# Altium PCB Dart_Controller_PCB.PcbDoc
Units mil, origin at the board's own origin, x right, y up, seen from the top; angles counter-clockwise.
Board outline 2952.91 x 1712.6 mil, 4 copper layers (TOP, GND02, PWR03, BOTTOM), stack 23.756 mil thick; 75 components, 43 nets, 297 pads, 130 vias.
Unrouted connection lines stored in the file: 1.
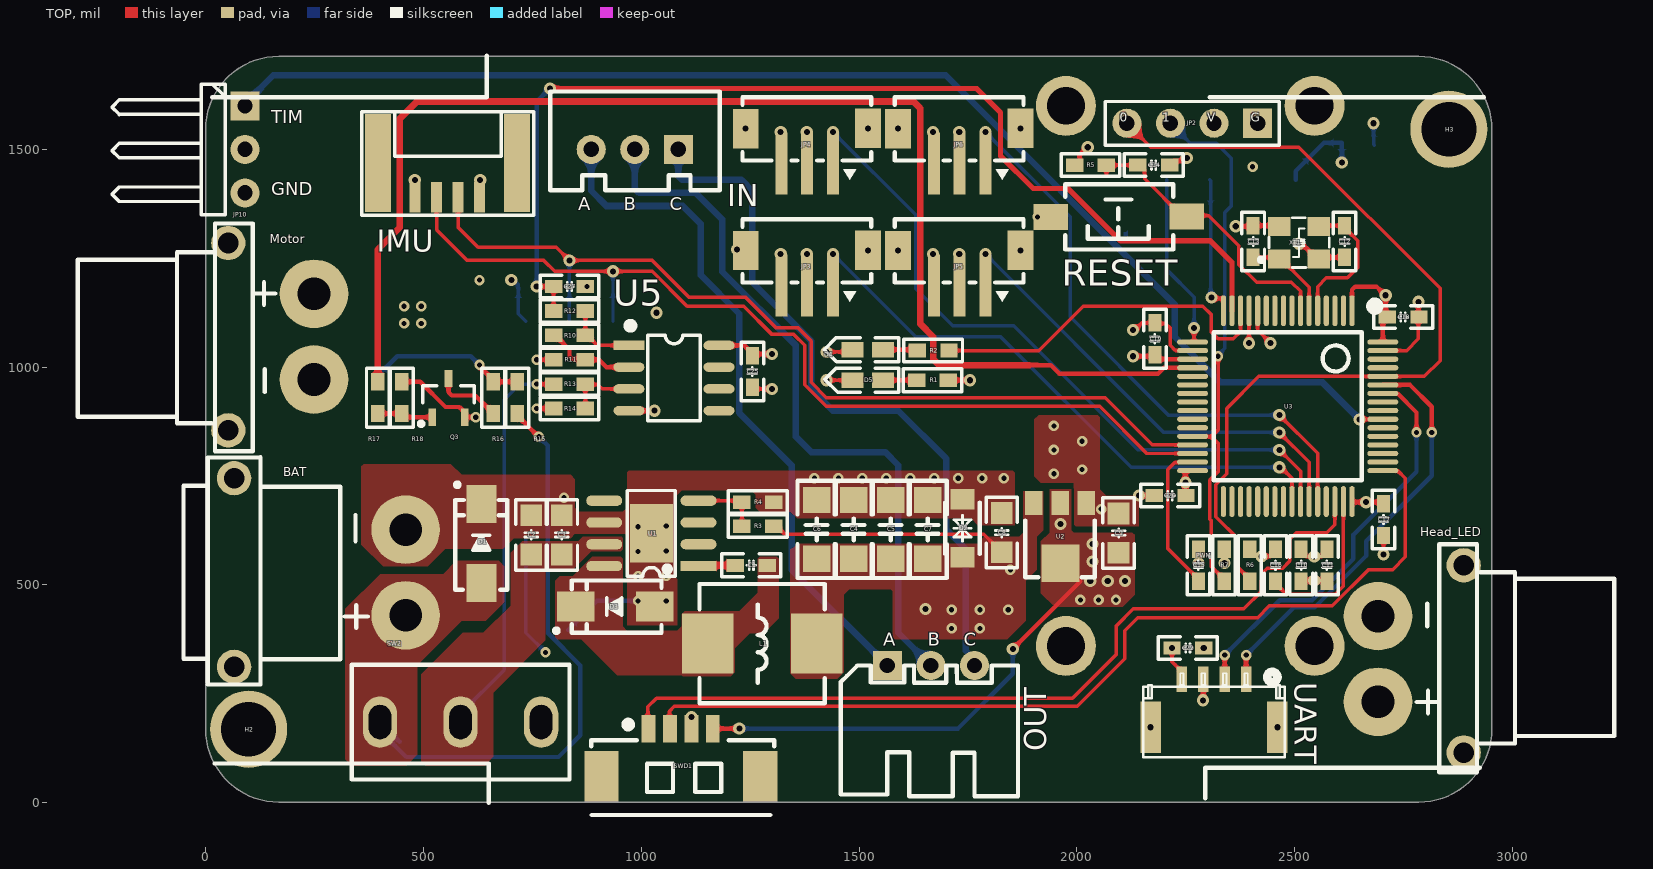
[diagram p0: TOP view]
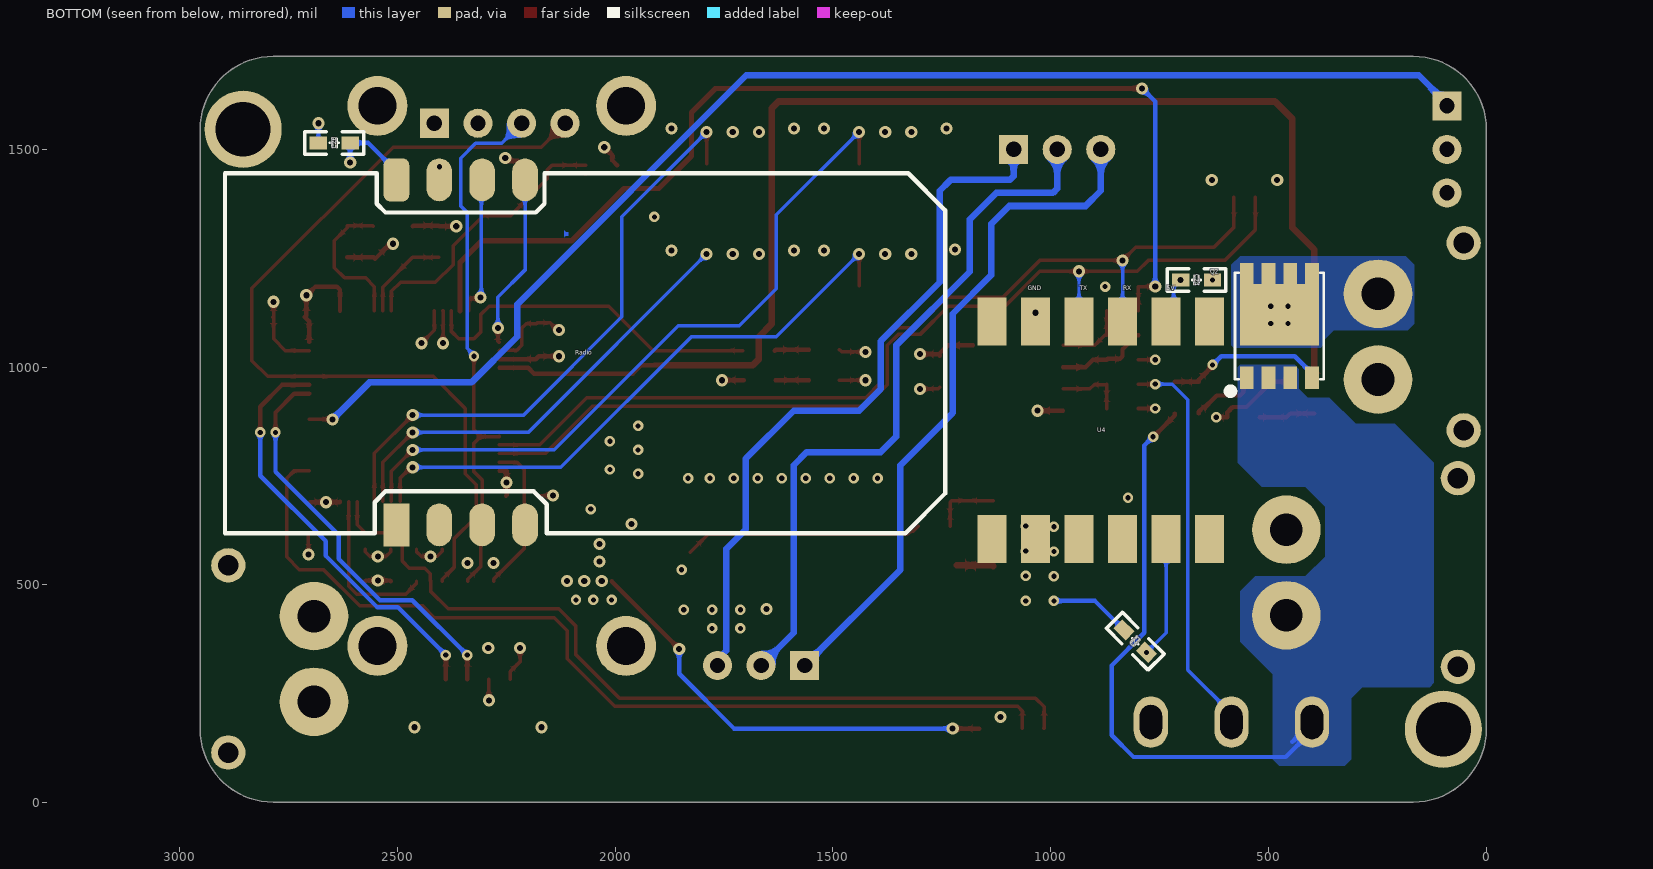
[diagram p1: BOTTOM view, seen from below]
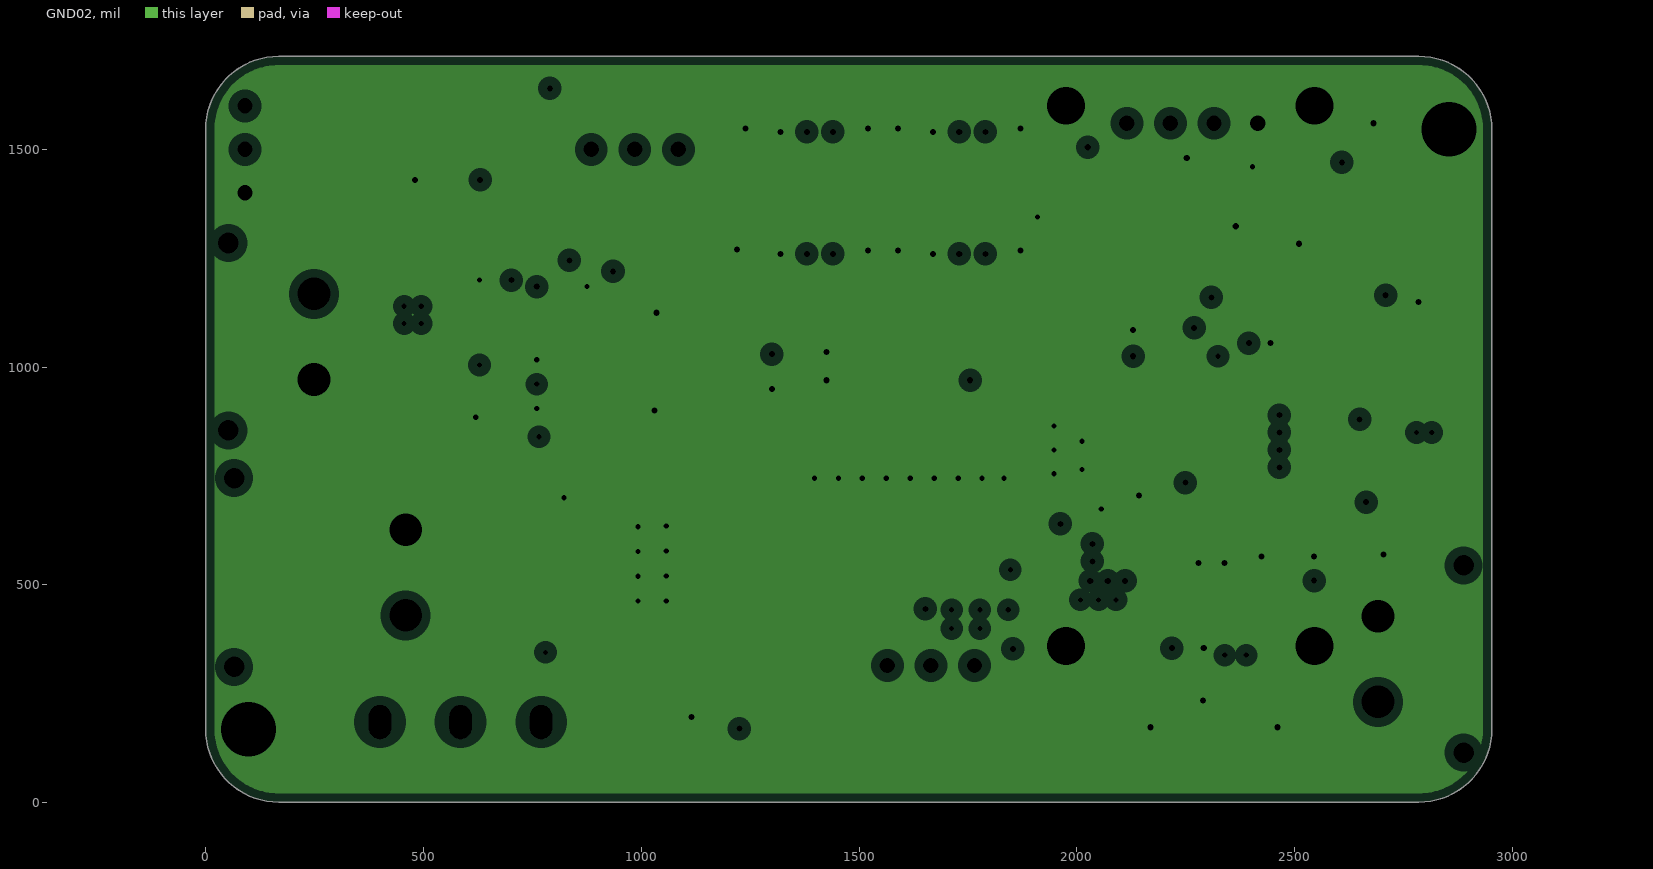
[diagram p2: GND02, clearances drawn from the general rule]
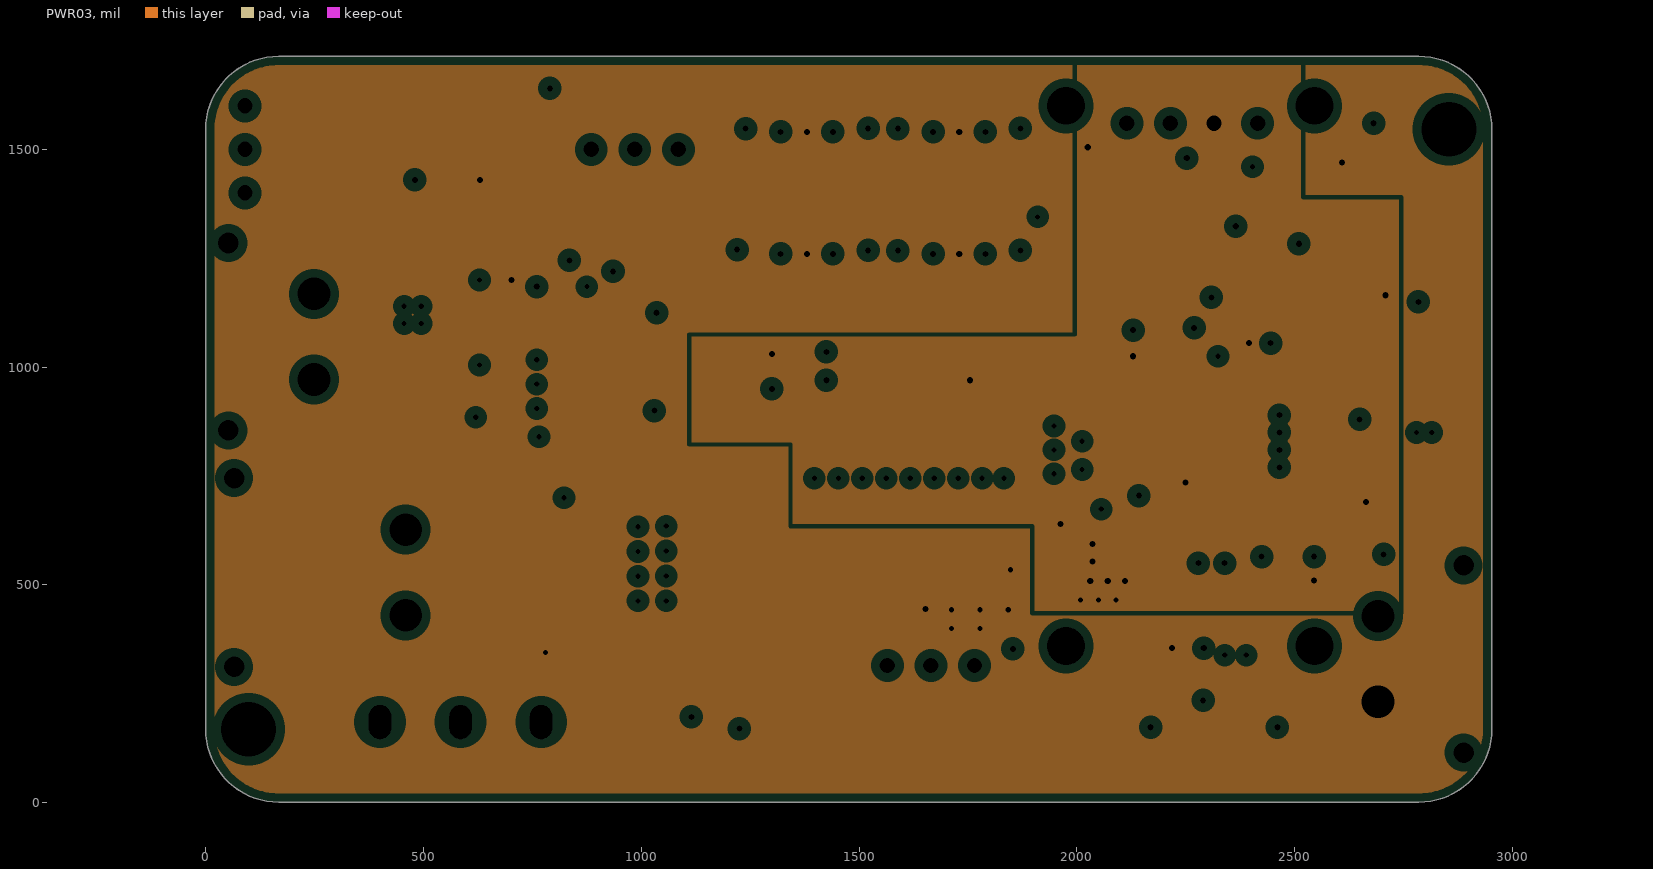
[diagram p3: PWR03, clearances drawn from the general rule]

## Layer stack, top to bottom
Top Solder: solder mask 0.4, Solder Resist, Dk 3.5
TOP: signal copper 1.4
Dielectric 2: prepreg 2.8, PP-006, Dk 4.1
GND02: plane copper 1.378, net GND
Dielectric 1: dielectric 12.6, FR-4, Dk 4.8
PWR03: plane copper 1.378, net (Multiple Nets)
Dielectric 3: prepreg 2.8, PP-006, Dk 4.1
BOTTOM: signal copper 1.4
Bottom Solder: solder mask 0.4, Solder Resist, Dk 3.5

## Board outline
167.32,1.1 cw(c167.24,168.5) -0.16,168.43 0,168.43 0,1546.38 -0.16,1546.38 cw(c167.24,1546.3) 167.32,1713.7 2785.43,1713.7 cw(c2785.43,1546.38) 2952.76,1546.38 2952.76,168.43 cw(c2785.43,168.43) 2785.43,1.1

## Design rules (kind name [scope] priority, off if disabled: settings)
Clearance [All] p1: gap=6 ignorepadtopadclearanceinfootprint=TRUE
DiffPairsRouting [All] p1: maxlimit=10 minlimit=8 mostfreqgap=10 toplayer_minwidth=8 toplayer_maxwidth=15 toplayer_prefwidth=10 bottomlayer_minwidth=8 bottomlayer_maxwidth=15 bottomlayer_prefwidth=10 maxuncoupledlength=500
HoleSize [All] p1: absolutevalues=TRUE maxlimit=99999 minlimit=1 maxpercent=80.000 minpercent=20.000
HoleToHoleClearance [All] p1: gap=8 allowstackedmicrovias=TRUE
MinimumSolderMaskSliver [All] p1: minsoldermaskwidth=0
PlaneClearance [All] p1: clearance=20
PlaneConnect [All] p1: planeconnectstyle=Direct reliefexpansion=20 reliefentries=4 reliefconductorwidth=10 reliefairgap=10
PolygonConnect [All] p1: connectstyle=Direct reliefconductorwidth=10 reliefentries=4 polygonreliefangle="90 Angle" airgapwidth=10
RoutingVias [All] p1: holewidth=12 width=24 viastyle="Through Hole" minholewidth=8 minwidth=22 maxholewidth=14 maxwidth=28
SilkToSilkClearance [All] p1: silktosilkclearance=0
SilkToSolderMaskClearance [IsPad] p1: minsilkscreentomaskgap=0 clearancetoexposedcopper=TRUE
SolderMaskExpansion SolderMaskExpansion_Via [IsVia] p1: expansion=4 istentingtop=TRUE
SolderMaskExpansion [All] p2: expansion=4 istentingtop=FALSE
Width [All] p1: maxlimit=20 minlimit=8 preferedwidth=10
22 further rules are at their usual default settings.

## Classes and differential pairs
component class Dart_Controller_SCH2: Head_LED Q2 Q3 R15 R16 R17 R18 SW2
component class Dart_Controller_SCH: BAT C1 C2 C3 C4 C5 C6 C7 C8 C9 C10 C11 C12 C13 C14 C15 C16 C17 C18 C19 C20 C22 C23 C24 C25 C26 C27 D1 D2 D3 D4 D5 H2 H3 IMU IN JP2 JP3 JP4 JP5 JP6 JP10 L1 Motor OUT R1 R2 R3 R4 R5 R6 R7 R10 R11 R12 R13 R14 Radio RESET SWD1 U1 U2 U4 U5 UART XT1

## Components (designator, comment, footprint, x,y, rotation, side; value= is the part's Value field where it differs from the comment)
BAT "XT30UPB-M" XT30PW-M 261.85,528.46 r270 top
C1 "10nf/0603" "C 0603_M" 1252.5,545 r180 top
C2 "10uf/0805" "C 0805_M" 747.5,615 r270 top
C3 "0.1uf/0805" "C 0805_M" 817.5,615 r270 top
C4 "47uf/1206" "C 1206_M" 1487.5,627.5 r270 top
C5 "47uf/1206" "C 1206_M" 1572.5,627.5 r270 top
C6 "47uf/1206" "C 1206_M" 1402.5,627.5 r270 top
C7 "47uf/1206" "C 1206_M" 1657.5,627.5 r270 top
C8 "10uf/0805" "C 0805_M" 1827.5,620 r270 top
C9 "22uf/0805" "C 0805_M" 2095.91,619.07 r270 top
C10 "100nf/0603" "C 0603_M" 2515.21,545 r270 top
C11 "100nf/0603" "C 0603_M" 2574.21,545 r270 top
C12 "20pf/0603" "C 0603_M" 2614.94,1288.44 r270 top
C13 "20pf/0603" "C 0603_M" 2404.94,1288.44 r90 top
C14 "100nf/0603" "C 0603_M" 2176.5,1463.79 r180 top
C15 "2.2uf/0603" "C 0603_M" 2279.21,545 r90 top
C16 "2.2uf/0603" "C 0603_M" 2456.21,545 r90 top
C17 "100nf/0603" "C 0603_M" 2704.21,650 r90 top
C18 "100nf/0603" "C 0603_M" 2749.21,1115 r180 top
C19 "100nf/0603" "C 0603_M" 2179.21,1065 r270 top
C20 "100nf/0603" "C 0603_M" 2214.21,705 r0 top
C22 "100nf/0603" "C 0603_M" 2255,355 r0 top
C23 "100nf/0603" "C 0603_M" 805.81,370.81 r225 bottom
C24 "100nf/0603" "C 0603_M" 665,1200 r180 bottom
C25 "100nf/0603" "C 0603_M" 1255,990 r90 top
C26 "100nf/0603" "C 0603_M" 2645,1515 r0 bottom
C27 "10nf/0603" "C 0603_M" 835,1185 r180 top
D1 "SMAJ28CA" SMA 632.5,595 r90 top
D2 "SMF5.0CA" SOD-123FL_L2.8-W1.8-LS3.7-BI 1737.5,630 r90 top
D3 "SS34" SMA 940,450 r180 top
D4 "LED_G/0603" LED-0603G 1555,970.26 r180 top
D5 "LED_B/0603" LED-0603B 1555,1040.26 r180 top
H2 "固定孔" 铜柱孔#1 100,170 r0 top
H3 "固定孔" 铜柱孔#2 2854.33,1546.38 r0 top
Head_LED "XT30UPB-F" XT30PW-F 2790,330 r90 top
IMU "GH1.25_4P" GH1.25-WS-4P 1068.43,1893.9 r180 top
IN "HDR-1X3" XH2.54-LI-3P 985,1500 r180 top
JP2 "Header 4" HDR2.54-LI-4P 2265,1560 r180 top
JP3 "ZH1.5-LS" ZH1.5 1385.24,1260 r180 top
JP4 "ZH1.5-LS" ZH1.5 1385.24,1540 r180 top
JP5 "ZH1.5-LS" ZH1.5 1735,1260 r180 top
JP6 "ZH1.5-LS" ZH1.5 1735,1540 r180 top
JP10 "Header 2" HDR2.54-WI-3P 90,1500 r270 top
L1 "FXL0630-150-M" L-SMD-0630 1277.5,365 r0 top
Motor "XT30UPB-F" XT30PW-F 150,1070 r270 top
OUT "HDR-1X3" XH2.54-WI-3P 1665,315 r0 top
Q2 "WSD30L120DN56" POWERVDFN-8_L6.0-W5.0-P1.27-BL 475,1094.41 r180 bottom
Q3 "SS8050" SOT23-3L 557.4,930 r0 top
R1 "1K/0603" "R 0603_M" 1668.5,970 r0 top
R2 "1K/0603" "R 0603_M" 1670,1038 r0 top
R3 "12K/0603" "R 0603_M" 1267.5,635 r0 top
R4 "3.9K/0603" "R 0603_M" 1267.5,690 r180 top
R5 "10K/0603" "R 0603_M" 2031.5,1463.79 r180 top
R6 "10K/0603" "R 0603_M" 2397.21,545 r270 top
R7 "10K/0603" "R 0603_M" 2338.21,545 r270 top
R10 "1K/0603" "R 0603_M" 835,1073 r0 top
R11 "4.7K/0603" "R 0603_M" 835,1017 r0 top
R12 "47R/0603" "R 0603_M" 835,1129 r180 top
R13 "4.7K/0603" "R 0603_M" 835,961 r0 top
R14 "1K/0603" "R 0603_M" 835,905 r0 top
R15 "2.2K/0603" "R 0603_M" 715,930 r270 top
R16 "2.2K/0603" "R 0603_M" 660,930 r90 top
R17 "1K/0603" "R 0603_M" 395,930 r90 top
R18 "10K/0603" "R 0603_M" 450,930 r90 top
Radio "Radio" Radio 2102.31,942.91 r270 bottom
RESET "3x6x5" "TSW SMD-3*6*2.5" 2095,1345 r180 top
SW2 "SS-12D10L5" SW-TH_SS-12D10L5 584.96,185 r0 top
SWD1 "SWD接口" "MX 1.25-WS-4P" 1090.94,59.35 r0 top
U1 "TPS5430DDAR" ESOP8 1023.09,618.31 r180 top
U2 "AMS1117-3.3V" SOT-89 1959.74,687.22 r180 top
U3 "STM32F405RGT6" "LQFP64 10x10_N" 2484.21,910 r180 top
U4 "MPU925" JY901B_MPU9250 635,1105 r270 bottom
U5 "TLV9062IDR" SOP8_N 1075,975 r0 top
UART "GH1.25-4P-LS" GH1.25-LS-4P 2315,185 r0 top
XT1 "12MHz" XTAL_3225_4P 2464.94,1248.44 r0 top

## Footprints (in the part's own frame and the unit in brackets; to place one, negate y for a bottom-side part, rotate by r counter-clockwise, add the part's x,y. Pads: shape width x height; smd on the part's side, far side on the other; paste and mask are expansions set on the pad)
"C 0603_M" [mil] "无极性贴片电容                                淘宝ID:黄晶宝石"
  rect 40x30 smd: 1(-36.5,0) 2(36.5,0)
  silkscreen extent -68,-26 68,26, body extent -31,-16 31,16, height 32
"C 0805_M" [mil] "无极性贴片电容                                         淘宝ID:黄晶宝石"
  rect 50x50 smd: 1(-45,0) 2(45,0)
  silkscreen extent -81,-36 81,36, body extent -39,-24 39,24, height 20
"C 1206_M" [mil] "无极性贴片电容"
  rect 60x62.99 smd: 1(-67.5,0) 2(67.5,0)
  silkscreen extent -112,-44 112,44, body extent -63,-32 63,32, height 48
ESOP8 [mm]
  rect 2.1x0.6 smd: 1(-2.75,1.905)
  oval 2.1x0.6 smd: 2(-2.75,0.635) 3(-2.75,-0.635) 4(-2.75,-1.905) 5(2.75,-1.905) 6(2.75,-0.635) 7(2.75,0.635) 8(2.75,1.905)
  rect 2.5x3.4 smd paste-2: 9(0,0)
  rect 0.9x0.7 on Top Paste: 10(-0.625,1.1) 10(-0.625,0) 10(-0.625,-1.1) 11(0.65,1.1) 11(0.65,0) 11(0.65,-1.1)
  silkscreen extent -1.4,-2.5 1.4,2.5, body extent -3.05,-2.5 2.95,2.5, height 1.53
GH1.25-LS-4P [mm] "A1257WR-S-4P"
  rect 0.6x1.5 smd: 1(1.875,2.5) 2(0.625,2.5) 3(-0.625,2.5) 4(-1.875,2.5)
  rect 1.2x3 smd: 5(-3.7,-0.3) 6(3.7,-0.3)
  silkscreen extent -4.13,-2.05 4.12,2.93, body extent -4.12,-2.15 4.12,2.25, height 4.2
GH1.25-WS-4P [mm] "卧贴"
  rect 0.635x1.8 smd: 1(11.176,12.799) 2(12.426,12.799) 3(13.676,12.799) 4(14.926,12.799)
  rect 1.5x5.7 smd: 5(8.992,10.795) 6(17.094,10.795)
  silkscreen extent 8,7.8 18.03,13.84, body extent 8.96,7.98 17.21,12.83, height 4.25
HDR2.54-LI-4P [mm] "排针，4脚"
  rect 1.7x1.7 hole 0.9: 1(-3.81,0)
  round 1.7 hole 0.9: 2(-1.27,0) 3(1.27,0) 4(3.81,0)
  silkscreen extent -5.08,-1.27 5.08,1.27, body extent -5.08,-1.27 5.08,1.27, height 8.5
HDR2.54-WI-3P [mm] "弯脚排针，3脚"
  rect 1.7x1.7 hole 0.9: 1(-2.54,0)
  round 1.7 hole 0.9: 2(0,0) 3(2.54,0)
  silkscreen extent -3.81,-7.76 3.81,-1.14, body extent -3.81,-7.77 3.81,1.27, height 4.85
JY901B_MPU9250 [mm]
  rect 2.8x1.7 smd: 1(0,0) 2(0,-2.54) 3(0,-5.08) 4(0,-7.62) 5(0,-10.16) 6(0,-12.7) 7(12.7,-12.7) 8(12.7,-10.16) 9(12.7,-7.62) 10(12.7,-5.08) 11(12.7,-2.54) 12(12.7,0)
L-SMD-0630 [mm] "一体化成型电感"
  rect 3x3.5 smd: 1(-3.175,0) 2(3.175,0)
  silkscreen extent -3.66,-3.48 3.66,3.48, body extent -3.47,-3.3 3.47,3.3, height 3.05
LED-0603B [mil]
  rect 50x35 smd: A(0,0.26) K(70,0.26)
  silkscreen extent -36,-28 135,28, body extent 4,-15 66,17, height 24
LED-0603G [mil]
  rect 50x35 smd: A(0,0.26) K(70,0.26)
  silkscreen extent -36,-28 134,28, body extent 4,-15 66,17, height 24
"LQFP64 10x10_N" [mm]
  oval 0.3x1.8 smd: 1(-3.75,-5.575) 2(-3.25,-5.575) 3(-2.75,-5.575) 4(-2.25,-5.575) 5(-1.75,-5.575) 6(-1.25,-5.575) 7(-0.75,-5.575) 8(-0.25,-5.575) 9(0.25,-5.575) 10(0.75,-5.575) 11(1.25,-5.575) 12(1.75,-5.575) 13(2.25,-5.575) 14(2.75,-5.575) 15(3.25,-5.575) 16(3.75,-5.575) 33(3.75,5.55) 34(3.25,5.55) 35(2.75,5.55) 36(2.25,5.55) 37(1.75,5.55) 38(1.25,5.55) 39(0.75,5.55) 40(0.25,5.55) 41(-0.25,5.55) 42(-0.75,5.55) 43(-1.25,5.55) 44(-1.75,5.55) 45(-2.25,5.55) 46(-2.75,5.55) 47(-3.25,5.55) 48(-3.75,5.55)
  oval 1.8x0.3 smd: 17(5.55,-3.75) 18(5.55,-3.25) 19(5.55,-2.75) 20(5.55,-2.25) 21(5.55,-1.75) 22(5.55,-1.25) 23(5.55,-0.75) 24(5.55,-0.25) 25(5.55,0.25) 26(5.55,0.75) 27(5.55,1.25) 28(5.55,1.75) 29(5.55,2.25) 30(5.55,2.75) 31(5.55,3.25) 32(5.55,3.75) 49(-5.55,3.75) 50(-5.55,3.25) 51(-5.55,2.75) 52(-5.55,2.25) 53(-5.55,1.75) 54(-5.55,1.25) 55(-5.55,0.75) 56(-5.55,0.25) 57(-5.55,-0.25) 58(-5.55,-0.75) 59(-5.55,-1.25) 60(-5.55,-1.75) 61(-5.55,-2.25) 62(-5.55,-2.75) 63(-5.55,-3.25) 64(-5.55,-3.75)
  silkscreen extent -5.33,-6.09 4.32,4.32, body extent -6,-6 6,6, height 1.45
"MX 1.25-WS-4P" [mm]
  rect 2x3 smd: 0(-4.632,0) 0(4.632,0)
  rect 0.8x1.6 smd: 1(-1.889,2.811) 2(-0.639,2.811) 3(0.611,2.811) 4(1.861,2.811)
  silkscreen extent -5.23,-2.23 5.45,3.25, body extent -5.08,-2.1 5.08,3.09, height 3.4
POWERVDFN-8_L6.0-W5.0-P1.27-BL [mm]
  rect 0.8x1.321 smd paste-100 mask+0.051: D(-1.905,3.025) D(-0.635,3.025) D(0.635,3.025) D(1.905,3.025) G(1.905,-3.025) S(-1.905,-3.025) S(-0.635,-3.025) S(0.635,-3.025)
  rect 4.6x3.6 smd paste-100 mask+0.051: D(0,0.65)
  silkscreen extent -3.05,-4 2.59,3.1, body extent -2.64,-3.05 2.64,3.05, height 1.01
"R 0603_M" [mil] "1/10W贴片电阻                             淘宝ID:黄晶宝石"
  rect 40x31.5 smd: 1(-36.5,0) 2(36.5,0)
  silkscreen extent -68,-26 68,26, body extent -31,-16 32,16, height 16
Radio [mm] "无线电-匿名数传"
  rrect50% 2.5x1.5 smd: 1(-12.372,-10.16)
  oval 2.5x1.5 smd: 2(-12.372,-7.66) 3(-12.372,-5.16) 4(-12.372,-2.66) 6(7.747,-7.66) 7(7.747,-5.16) 8(7.747,-2.66)
  rect 2.5x1.5 smd: 5(7.747,-10.16)
  silkscreen extent -12.75,-20.16 8.25,21.84